# Altium PCB PCB1.PcbDoc (part 2 of 2)
Units mil, origin at the board's own origin, x right, y up, seen from the top; angles counter-clockwise.
Board outline 2600 x 1200 mil, 4 copper layers (Top Layer, GND, POW, Bottom Layer), stack 23.756 mil thick; 103 components, 102 nets, 427 pads, 309 vias.
Unrouted connection lines stored in the file: 7.
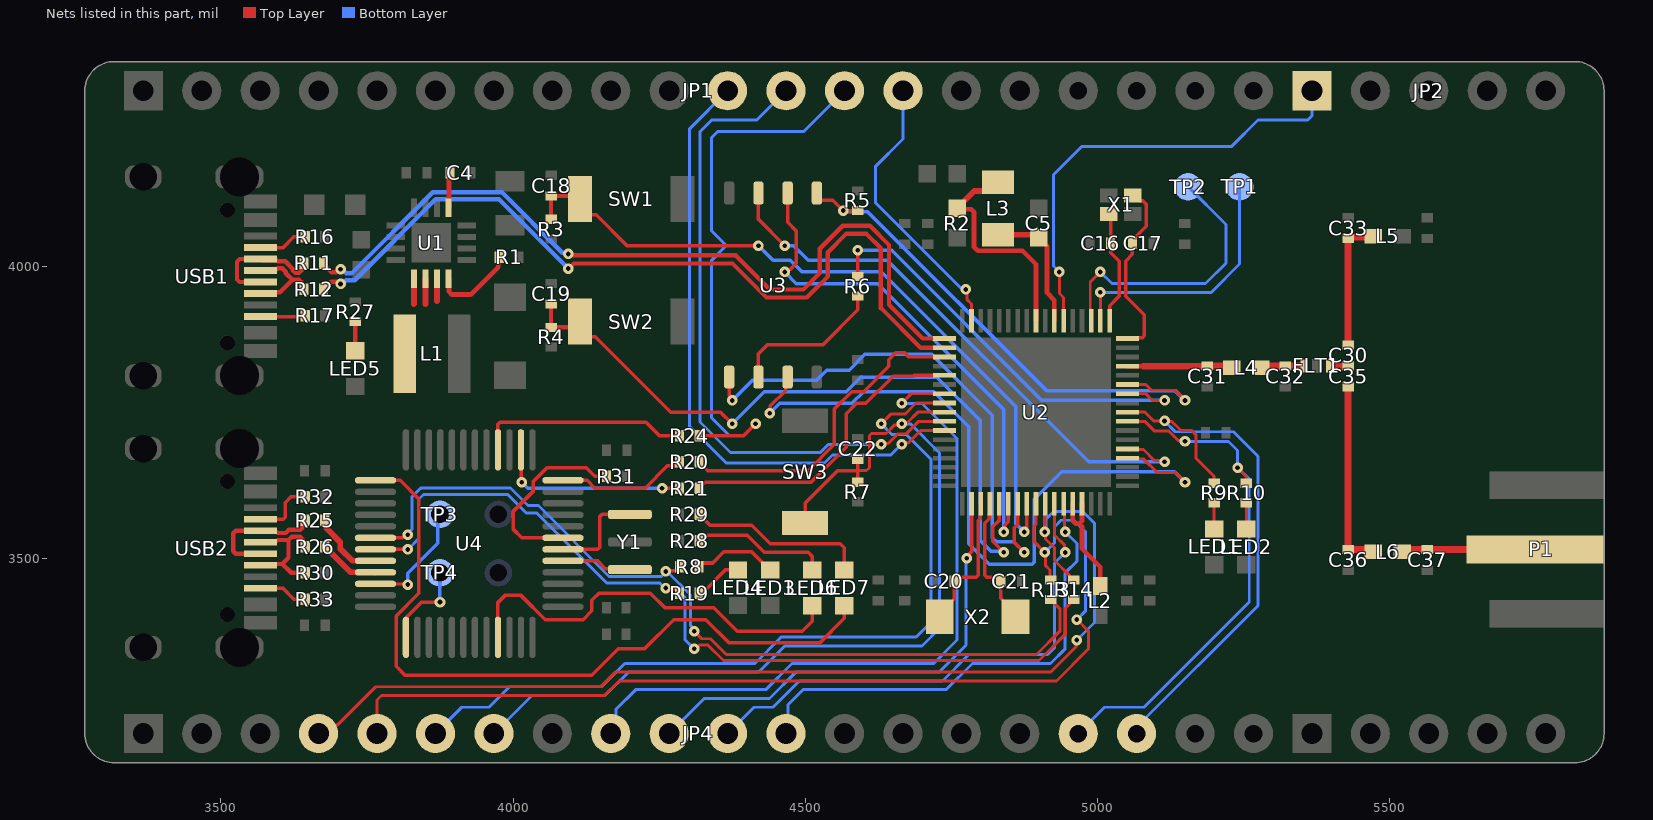
[diagram p4: the nets of this part, all layers, seen from the top]

## Via types
v1: diameter 18, hole 8, Top Layer to Bottom Layer, tented both sides, 309 vias

## Nets (pads, with @x,y where several pads share a name; then routed paths per layer and width w, separated by ;. In a path a pad name is that pad's centre, name@x,y a point inside that pad or via, vN(x,y) a via of type N, cw(c..) or ccw(c..) an arc to the next point about the centre after c; other vN are vias at no path point) (continued)
GPIO_PC0: JP4.5 R13.2 U2.9 | length 1786.5
  Top Layer w5: JP4.5@3767.24,3200 3767.24,3257.24 3775,3265 4156.21,3265 4181.21,3290 4930,3290 4985,3345 4985,3375 v1(4965,3395) ; U2.9@4895,3593.5 4895,3557.79 4891.84,3554.63 4891.84,3528.16 v1(4910.02,3509.98) 4910.96,3509.04 4910.96,3487.97 4919.13,3479.79 4919.13,3463.58 R13.2@4920,3462.71
  Bottom Layer w5: v1(4910.02,3509.98) 4926.5,3526.45 4926.5,3553.5 4937.99,3565 4960,3565 4980,3545 4980,3410 v1(4965,3395)
GPIO_PC1: JP4.4 R14.2 U2.10 | length 1854.8
  Top Layer w5: JP4.4@3667.24,3200 3684,3200 3699.09,3215.09 3700.09,3215.09 3765,3280 4150,3280 4175,3305 4920,3305 4963.36,3348.36 4963.36,3358.35 v1(4965.03,3360.02) ; v1(4910,3544.96) 4911.45,3543.55 4911.45,3533.08 4926.52,3518.01 4926.52,3496.19 4952.66,3470.06 4952.66,3468.09 4958.03,3462.71 R14.2@4960,3462.71
  Top Layer w6: v1(4910,3544.96) 4910.37,3545.33 4910.37,3593.12 U2.10@4910.75,3593.5
  Bottom Layer w5: v1(4910,3544.96) 4912.48,3547.44 4912.48,3567.48 4925,3580 4975,3580 4995,3560 4995,3390 v1(4965.03,3360.02)
GPIO_PC2: JP4.11 U2.11 | length 882.3
  Top Layer w5: U2.11@4926.5,3593.5 4926.5,3539.92 4944.08,3522.33 4944.08,3510.92 v1(4945.04,3509.96)
  Bottom Layer w5: JP4.11@4367.24,3200 4412.24,3245 4445,3245 4490,3290 4735,3290 4780,3335 4915,3335 4926.81,3346.81 4926.81,3491.73 v1(4945.04,3509.96)
GPIO_PC3: JP4.12 U2.12 | length 831
  Top Layer w5: U2.12@4942.24,3593.5 4943.65,3592.09 4943.65,3546.35 v1(4945.06,3544.94)
  Bottom Layer w5: JP4.12@4467.24,3200 4470.61,3203.36 4470.61,3249.39 4496.21,3275 4741.21,3275 4786.21,3320 4920,3320 4945,3345 4945,3475 4965,3495 4965,3525 v1(4945.06,3544.94)
GPIO_PC4: JP4.17 R10.1 U2.25 | length 895.5
  Top Layer w5: U2.25@5051.5,3734.25 5081.12,3734.25 5097.38,3718 5121.99,3718 5138.33,3701.66 5148.34,3701.66 v1(5150,3700) ; v1(5240,3655) 5255,3640 R10.1@5255,3628.46
  Bottom Layer w5: JP4.17@4967.24,3200 5012.24,3245 5080,3245 5260,3425 5260,3635 v1(5240,3655) 5240,3684.42 5224.42,3700 v1(5150,3700)
GPIO_PC5: JP4.18 R9.1 U2.26 | length 974.6
  Top Layer w5: U2.26@5051.5,3750 5081.48,3750 5096.48,3735 v1(5115,3735) 5115.95,3734.05 5127.39,3734.05 5142.94,3718.5 5161.5,3718.5 5168.5,3711.5 5168.5,3671.5 5200,3640 R9.1@5200,3628.46
  Bottom Layer w5: JP4.18@5067.24,3200 5067.24,3211.03 5275,3418.79 5275,3674.42 5232.92,3716.5 5133.5,3716.5 v1(5115,3735)
GPIO_PC6: JP1.14 U2.50 | length 485
  Top Layer w5: v1(4775,3960) 4776.66,3958.34 4776.66,3943.34 4784.76,3935.24 U2.50@4784.76,3906.5
  Bottom Layer w5: JP1.14@4667.24,4300 4667.24,4217.24 4620,4170 4620,4108.68 4766.19,3962.49 4772.51,3962.49 v1(4775,3960)
GPIO_PC10: JP4.9 U2.58 | length 1223.1
  Top Layer w5: v1(4665,3765) 4681.5,3781.5 U2.58@4738.5,3781.5
  Bottom Layer w5: JP4.9@4167.24,3200 4175.96,3208.72 4175.96,3240.96 4210,3275 4432.57,3275 4477.57,3320 4720,3320 4760,3360 4760,3705 4700,3765 v1(4665,3765)
GPIO_PC11: JP4.6 U2.59 | length 1439.6
  Top Layer w5: v1(4630,3730) 4646.5,3746.5 4670.59,3746.5 4689.84,3765.75 U2.59@4738.5,3765.75
  Bottom Layer w5: JP4.6@3867.24,3200 3912.24,3245 3958.79,3245 3993.79,3280 4151.36,3280 4191.36,3320 4413.93,3320 4458.93,3365 4690,3365 4715,3390 4715,3670 4673.5,3711.5 4648.5,3711.5 v1(4630,3730)
GPIO_PC12: C22.1 JP4.7 R7.1 SW3.1 U2.60 | length 1632.2
  Top Layer w5: 4590,3649.79 4590.21,3650 4605,3650 4610,3655 4610,3710 4613.5,3713.5 4638.46,3713.5 4653.31,3728.35 4663.35,3728.35 4667.49,3732.49 4674.99,3732.49 4692.5,3750 U2.60@4738.5,3750
  Top Layer w6: SW3.1@4500,3560 4500,3594.44 4555.34,3649.79 4590,3649.79 ; R7.1@4590,3630 4590,3649.79 ; C22.1@4590,3669.57 4590,3649.79
  Bottom Layer w5: JP4.7@3967.24,3200 4032.24,3265 4157.57,3265 4197.57,3305 4420.15,3305 4465.15,3350 4700,3350 4730,3380 4730,3680 4680,3730 v1(4665,3730)
GPIO_PC13: JP4.10 U2.2 | length 816.7
  Top Layer w6: v1(4776.5,3500) 4776.5,3503.25 4784.76,3511.51 U2.2@4784.76,3593.5
  Bottom Layer w5: JP4.10@4267.24,3200 4327.24,3260 4438.79,3260 4483.79,3305 4728.79,3305 4775,3351.21 4775,3498.5 v1(4776.5,3500)
GPIO_PD0: JP1.12 U2.61 | length 1135.6
  Top Layer w5: v1(4630,3695) 4631.25,3696.25 4642.08,3696.25 4658.83,3713 4673,3713 4694.25,3734.25 U2.61@4738.5,3734.25
  Bottom Layer w5: JP1.12@4467.24,4300 4417.24,4250 4340,4250 4320,4230 4320,3732.91 4372.2,3680.71 4525.71,3680.71 4540,3695 v1(4630,3695)
GPIO_PD1: JP1.11 U2.62 | length 1086.4
  Top Layer w5: v1(4665,3695) 4667.04,3697.04 4676.29,3697.04 4697.75,3718.5 U2.62@4738.5,3718.5
  Bottom Layer w5: JP1.11@4367.24,4300 4302.32,4235.08 4302.32,3725.58 4364.87,3663.03 4533.03,3663.03 4546.5,3676.5 4646.5,3676.5 v1(4665,3695)
GPIO_PE0: JP2.1 U2.40 | length 783.7
  Top Layer w5: v1(4935,3990) 4935,3953.3 4942.24,3946.06 U2.40@4942.24,3906.5
  Bottom Layer w5: v1(4935,3990) 4925,4000 4925,4156.21 4973.79,4205 5230,4205 5275,4250 5360,4250 5367.24,4257.24 JP2.1@5367.24,4300
JTCK: R21.2 U2.56 | length 534.6
  Top Layer w6: R21.2@4318.46,3620 4318.46,3621.97 4323.34,3626.84 4325.31,3626.84 4328.47,3630 4510,3630 4570,3690 4570,3747.1 4587.9,3765 4603.95,3765 4650.55,3811.6 4685.33,3811.6 4686.72,3812.99 U2.56@4738.5,3812.99
JTMS: R20.2 U2.54 | length 555.8
  Top Layer w6: R20.2@4318.46,3665 4318.46,3663.03 4323.34,3658.16 4325.31,3658.16 4333.46,3650 4505,3650 4550,3695 4550,3755.31 4579.69,3785 4599.9,3785 4643.19,3828.29 4643.19,3839.93 4654.63,3851.37 4670.33,3851.37 4677.21,3844.49 U2.54@4738.5,3844.49
LED1: LED7.1 U4.25 | length 1258
  Top Layer w6: U4.25@3764.55,3633.27 3806.73,3633.27 3838.68,3601.32 3838.68,3439.78 3800,3401.09 3800,3315 3815,3300 4135,3300 4180,3345 4225,3345 4275,3395 4330,3395 4370,3355 4525,3355 4567,3397 LED7.1@4567,3418.76
LED2: LED6.1 U4.45 | length 709.5
  Top Layer w6: U4.45@3974.21,3364.55 3974.21,3424.32 3986.19,3436.3 4013.7,3436.3 4055,3395 4120,3395 4135,3410 4135,3427.95 4147.05,3440 4235,3440 4260,3415 4343.75,3415 4383.75,3375 4495,3375 4512,3392 LED6.1@4512,3418.76
MCU-BOOT0: C19.1 R4.1 SW2.1 U2.5 | length 1269.8
  Top Layer w6: SW2.1@4114.8,3905 4114.8,3896.51 4132.47,3878.85 4140.96,3878.85 4269.8,3750 4355,3750 v1(4375,3730) ; U2.5@4832.01,3593.5 4832.01,3564.5 4821.25,3553.74 4821.25,3528.75 v1(4840,3510)
  Top Layer w7.5: C19.1@4065,3935 R4.1@4065,3895 4104.8,3895 SW2.1@4114.8,3905
  Bottom Layer w6: v1(4375,3730) 4430,3785 4570,3785 4595,3810 4725,3810 4800,3735 4800,3530 4817.7,3512.3 4837.7,3512.3 v1(4840,3510)
MCU-NRST: C18.1 JP1.13 R3.1 R24.2 SW1.1 U2.8 | length 2278.4
  Top Layer w6: SW1.1@4131.72,4087.67 4142.33,4087.67 4195,4035 v1(4420,4035) ; R24.2@4318.46,3710 4395,3710 v1(4415,3730) ; v1(4875.02,3544.98) 4875.02,3548.23 4879.25,3552.46 U2.8@4879.25,3593.5
  Top Layer w7.5: R3.1@4065,4080 C18.1@4065,4120 4109.8,4120 SW1.1@4114.8,4115 4114.8,4104.59 SW1.1@4131.72,4087.67
  Bottom Layer w5: v1(4415,3730) 4395,3710 4370,3710 4340,3740 4340,4010 4365,4035 ; v1(4420,4035) 4365,4035 ; JP1.13@4567.24,4300 4497.24,4230 4350,4230 4340,4220 4340,4060 4365,4035
  Bottom Layer w6: v1(4420,4035) 4445,4010 4474.44,4010 4494.44,3990 4630,3990 4860,3760 4860,3560 v1(4875.02,3544.98)
MCU_USB_IN_N: R11.2 USB1.A7 USB1.B7 | length 211.6
  Top Layer w7.5: USB1.A7@3567.83,3972.66 3532.05,3972.66 3527.66,3977.05 3527.66,4007.63 3532.05,4012.03 USB1.B7@3567.83,4012.03 3569.99,4009.87 3595.33,4009.87 3597.02,4008.19 3610.1,4008.19 3623.16,3995.12 3623.16,3992.9 3627.56,3988.5 3633.77,3988.5 3638.16,3992.9 3638.16,4000.88 R11.2@3642.29,4005
MCU_USB_IN_P: R12.2 USB1.A6 USB1.B6 | length 161.5
  Top Layer w7.5: USB1.B6@3567.83,3952.97 3569.99,3955.13 3601.21,3955.13 3622.59,3976.5 ; USB1.A6@3567.83,3992.34 3569.99,3994.5 3595.33,3994.5 3597.02,3996.19 3605.13,3996.19 3611.16,3990.15 3611.16,3987.93 3622.59,3976.5 ; R12.2@3642.29,3960 3638.16,3964.13 3638.16,3972.11 3633.77,3976.5 3622.59,3976.5
NetC4_2: C4.2 U1.9 | length 61.1
  Top Layer w8: U1.9@3889.53,4100.01 3890.45,4100.93 3890.45,4158.17 C4.2@3892.29,4160
NetC5_2: C5.2 L3.1 U2.41 | length 224.8
  Top Layer w8: C5.2@4900,4048.13 4913.95,4034.18 4913.95,3954.1 4926.5,3941.56 U2.41@4926.5,3906.5
  Top Layer w10: L3.1@4830,4053.54 4894.59,4053.54 C5.2@4900,4048.13
NetC30_1: C30.1 C35.1 FLT1.3 | length 32
  Top Layer w11.55: FLT1.3@5397.05,3829 C35.1@5429,3829
NetC30_2: C30.2 C33.1 L5.1 | length 226.8
  Top Layer w11.55: C30.2@5429,3865 C33.1@5429,4047.28 5430.86,4049.14 5470.14,4049.14 L5.1@5472,4051
NetC32_1: C32.1 FLT1.1 L4.2 | length 74.2
  Top Layer w11.55: L4.2@5280,3826 5283,3829 C32.1@5322,3829 FLT1.1@5352.95,3829
NetC35_2: C35.2 C36.1 L6.1 | length 323.2
  Top Layer w11.55: C35.2@5429,3793.57 C36.1@5429.01,3515 5468,3515 L6.1@5472,3511
NetC37_1: C37.1 L6.2 P1.1 | length 229.7
  Top Layer w11.55: L6.2@5522,3511 5526,3515 C37.1@5565.01,3515 P1.1@5750,3515
NetL1_1: L1.1 U1.1 U1.2 U1.3 | length 124.3
  Top Layer w10: 3830,3935 3830.47,3935.47 U1.1@3830.47,3977.99 ; 3850,3935 3850.16,3935.16 U1.2@3850.16,3977.99 ; U1.3@3869.84,3977.99 3869.84,3940.16 3870,3940
NetL3_2: L3.2 R2.2 U2.43 | length 394.8
  Top Layer w8: R2.2@4760.01,4099.31 4762.32,4097 4784,4097 4789,4092 4789,4032.11 4795.11,4026 4871.95,4026 4895,4002.95 U2.43@4895,3906.5
  Top Layer w10: R2.2@4760.01,4099.31 4789.23,4128.54 4815,4128.54 L3.2@4830,4143.54
NetLED1_2: LED1.2 R9.2 | length 45
  Top Layer w5: LED1.2@5200,3550 R9.2@5200,3595
NetLED2_2: LED2.2 R10.2 | length 45
  Top Layer w5: LED2.2@5255,3550 R10.2@5255,3595
NetLED3_2: LED3.2 R8.2 | length 146.2
  Top Layer w6: R8.2@4318.46,3485 4318.46,3486.97 4323.34,3491.84 4341.84,3491.84 4360.82,3510.82 4408.19,3510.82 4439.02,3480 LED3.2@4440,3480
NetLED4_2: LED4.2 R19.2 | length 84.3
  Top Layer w6: R19.2@4318.46,3440 4318.46,3441.97 4323.34,3446.84 4330.45,3446.84 4363.61,3480 LED4.2@4385,3480
NetLED5_2: LED5.2 R27.2 | length 50
  Top Layer w8: LED5.2@3730,3855 R27.2@3730,3905
NetLED6_2: LED6.2 R28.2 | length 236.9
  Top Layer w6: R28.2@4318.46,3530 4318.46,3531.97 4323.34,3536.84 4325.31,3536.84 4327.95,3539.48 4400.52,3539.48 4430,3510 4505,3510 4512,3503 LED6.2@4512,3479.79
NetLED7_2: LED7.2 R29.2 | length 310.4
  Top Layer w6: R29.2@4318.46,3575 4337.09,3556.37 4408.63,3556.37 4440,3525 4560,3525 4567,3518 LED7.2@4567,3479.79
NetR1_1: R1.1 U1.4 | length 145.4
  Top Layer w8: U1.4@3889.53,3977.99 3890.45,3977.07 3890.45,3955.99 3895.14,3951.3 3927.48,3951.3 3974.51,3998.34 3974.51,4012.98 R1.1@3976.54,4015
NetR6_2: R6.2 U3.6 | length 273
  Top Layer w6: U3.6@4424.98,3815.02 U3.6@4420,3810.04 4420,3850 4435,3865 4530,3865 4590,3925 R6.2@4590,3948.8 R6.2@4590.77,3948.03
NetR16_1: R16.1 USB1.A5 | length 84
  Top Layer w6: USB1.A5@3567.83,4031.71 3606.71,4031.71 3625,4050 R16.1@3644.25,4050
NetR17_1: R17.1 USB1.B5 | length 77
  Top Layer w6: USB1.B5@3567.83,3913.6 3642.85,3913.6 R17.1@3644.25,3915
NetR20_1: R20.1 U4.12 | length 224.8
  Top Layer w6: U4.12@4085.45,3633.27 4126.73,3633.27 4140,3620 4226.01,3620 4264.17,3658.16 4280.13,3658.16 4285,3663.03 R20.1@4285,3665
NetR21_1: R21.1 U4.14 | length 330.2
  Top Layer w6: U4.14@4013.58,3685.45 4014.29,3684.74 4014.29,3630.71 v1(4015,3630) ; v1(4255,3620) R21.1@4285,3620
  Bottom Layer w6: v1(4015,3630) 4025,3620 v1(4255,3620)
NetR24_1: R24.1 U4.16 | length 365.1
  Top Layer w6: U4.16@3974.21,3685.45 3974.21,3728.98 3977.73,3732.5 4227.5,3732.5 4250,3710 R24.1@4285,3710
NetR25_1: R25.1 U4.32 | length 128.5
  Top Layer w10: R25.1@3677.71,3565 3680.59,3562.13 3680.59,3551.25 3704.39,3527.44 3704.39,3516.35 3725.08,3495.66 3764.36,3495.66 U4.32@3764.55,3495.47
NetR26_1: R26.1 U4.33 | length 106.3
  Top Layer w10: R26.1@3677.71,3520 3677.71,3518.03 3680.59,3515.16 3682.56,3515.16 3721.73,3475.98 3764.36,3475.98 U4.33@3764.55,3475.79
NetR31_2: R31.2 U4.7 | length 328.7
  Top Layer w6: U4.7@4085.45,3534.84 4015.16,3534.84 4000,3550 4000,3580 4035,3615 4035,3631.84 4058.16,3655 4125,3655 4140,3640 R31.2@4159.81,3640
NetR32_2: R32.2 USB2.A5 | length 106.8
  Top Layer w6: USB2.A5@3567.83,3566.71 3606.49,3566.71 3610,3570.23 3610,3595 3620,3605 R32.2@3644.25,3605
NetR33_2: R33.2 USB2.B5 | length 84.1
  Top Layer w6: USB2.B5@3567.83,3448.6 3606.4,3448.6 3625,3430 R33.2@3644.25,3430
NetTP1_1: TP1.1 U2.36 | length 439.3
  Top Layer w5: v1(5005,3955) 5005.12,3954.88 5005.12,3906.62 U2.36@5005.24,3906.5
  Bottom Layer w5: v1(5005,3955) 5195,3955 5243.43,4003.43 TP1.1@5243.43,4135.64
NetTP2_1: TP2.1 U2.37 | length 486.4
  Top Layer w5: U2.37@4989.49,3906.5 4987.99,3908 4987.99,3926.85 4987.91,3926.93 4987.91,3972.91 v1(5005,3990)
  Bottom Layer w5: v1(5005,3990) 5025,3970 5185,3970 5220,4005 5220,4071.07 TP2.1@5155.43,4135.64
NetU4_5: U4.5 Y1.3 | length 115.7
  Top Layer w6: U4.5@4085.45,3495.47 4144.86,3495.47 4158.06,3482.27 4193.24,3482.27 Y1.3@4195,3480.51
NetU4_6: U4.6 Y1.1 | length 165.3
  Top Layer w6: U4.6@4085.45,3515.16 4145.24,3515.16 4148.75,3518.67 4148.75,3571.49 4152.27,3575 Y1.1@4195,3575
OSC32_IN: C20.2 U2.3 X2.2 | length 242
  Top Layer w6: X2.2@4730,3400 4730,3405.91 4755,3430.91 4755,3462.71 4759.71,3467.43 4792.62,3467.43 4796.14,3470.94 4796.14,3564.32 4799.51,3567.7 4799.51,3592.5 U2.3@4800.51,3593.5
OSC32_OUT: C21.2 U2.4 X2.1 | length 230.3
  Top Layer w6: U2.4@4816.26,3593.5 4816.26,3577.5 4815.26,3576.5 4815.26,3567.89 4807.14,3559.76 4807.14,3471.1 4810.65,3467.59 4829.7,3467.59 4834.57,3462.71 4834.57,3431.26 4859.92,3405.91 X2.1@4859.92,3400
OSC_IN: C16.2 U2.35 X1.1 | length 197
  Top Layer w6: X1.1@5019.33,4089.25 5022.71,4085.87 C16.2@5022.71,4039.26 5022.71,4022.66 5037.36,4008.02 5037.36,3948.72 5020.98,3932.35 U2.35@5020.98,3906.5
OSC_OUT: C17.2 U2.34 X1.3 | length 299.5
  Top Layer w6: U2.34@5051.5,3875.98 5052.5,3876.98 5076.49,3876.98 5080,3880.5 5080,3916.67 5048.36,3948.32 5048.36,4008.36 5060,4020 5060,4041.22 5064.87,4046.1 5064.87,4049.35 5083.43,4067.91 5083.43,4106.09 5077.58,4111.94 5072.43,4111.94 X1.3@5070.67,4113.7
QSPI_CLK: R6.1 U2.28 | length 745.9
  Top Layer w5: U2.28@5051.5,3781.5 5082.95,3781.5 5094.44,3770 v1(5115,3770)
  Top Layer w6: R6.1@4590,3982.27 v1(4590,4027) ; U2.28@5051.5,3781.5 U2.28@5052.5,3780.5
  Bottom Layer w6: v1(4590,4027) 4648,4027 4905,3770 v1(5115,3770)
QSPI_CS: R5.2 U2.29 U3.1 | length 915.6
  Top Layer w5: U2.29@5051.5,3797.24 5082.76,3797.24 5092.56,3787.44 5132.56,3787.44 v1(5150,3770)
  Top Layer w6: U3.1@4520,4125 4520,4118.49 4525.75,4112.74 4547.26,4112.74 v1(4565,4095) R5.2@4590,4095
  Bottom Layer w6: v1(4565,4095) 4566.73,4093.27 4606.73,4093.27 4913,3787 5133,3787 v1(5150,3770)
QSPI_IO0: U2.7 U3.5 | length 930.6
  Top Layer w6: U3.5@4370,3810.04 4370,3778.25 4375,3773.25 v1(4375,3770) ; U2.7@4863.5,3593.5 4863.5,3557.5 4858,3552 4858,3527 v1(4875,3510)
  Bottom Layer w6: v1(4375,3770) 4410,3805 4520,3805 4536.77,3821.77 4575.14,3821.77 4602.2,3848.83 4716.17,3848.83 4820.28,3744.72 4820.28,3535.28 4827.56,3528 4857,3528 v1(4875,3510)
QSPI_IO1: U2.6 U3.2 | length 886.2
  Top Layer w6: v1(4465,3990) 4468.25,3990 4472.48,3994.23 4474.23,3994.23 4485,4005 4485,4060 4470,4075 U3.2@4470,4125 ; v1(4840,3545) 4841.82,3546.82 4841.82,3556.64 4847.76,3562.57 U2.6@4847.76,3593.5
  Bottom Layer w6: v1(4465,3990) 4485,3970 4624.44,3970 4840,3754.44 v1(4840,3545)
QSPI_IO2: U2.22 U3.3 | length 984.5
  Top Layer w5: U2.22@5052.5,3686.01 5078.74,3686.01 5097.46,3667.3 v1@5112.7,3667.3
  Top Layer w6: U3.3@4420,4125 4420,4080 v1(4465,4035) ; U2.22@5051.5,3687.01 U2.22@5052.5,3686.01 ; v1@5112.7,3667.3 v1(5115,3665)
  Bottom Layer w6: v1(4465,4035) 4480,4035 4505,4010 4640,4010 4985,3665 v1(5115,3665)
QSPI_IO3: U2.21 U3.7 | length 1291.1
  Top Layer w5: U2.21@5052.5,3670.26 5078.62,3670.26 5101.88,3647 5133,3647 v1(5150,3630)
  Top Layer w6: v1(4439.45,3748.29) 4440.46,3749.29 4440.46,3760.74 4466.54,3786.82 4466.54,3806.58 U3.7@4470,3810.04 ; U2.21@5051.5,3671.26 U2.21@5052.5,3670.26
  Bottom Layer w6: v1(4439.45,3748.29) 4456.16,3765 4580,3765 4600,3785 4720,3785 4780,3725 4780,3525 4815,3490 4888.59,3490 4892.11,3493.51 4892.11,3601.24 4938.87,3648 5132,3648 v1(5150,3630)
RF1: C31.1 L4.1 U2.31 | length 179.9
  Top Layer w8: U2.31@5051.5,3828.74 5078.74,3828.74
  Top Layer w11.55: 5078.74,3828.74 5187.73,3828.74 C31.1@5188,3829 5227,3829 L4.1@5230,3826
ST_RX: R14.1 R19.1 U4.31 | length 1540.4
  Top Layer w5: v1(4261.49,3448.94) 4263.09,3447.34 4279.63,3447.34 4285,3441.97 R19.1@4285,3440 ; v1@4306.67,3345 v1(4310,3345) 4312.8,3345 4319.43,3351.63 4333.37,3351.63 4360,3325 4900,3325 4945.8,3370.8 4945.8,3415.05 R14.1@4960,3429.25
  Top Layer w6: U4.31@3764.55,3515.16 3764.63,3515.08 3819.92,3515.08 v1(3820,3515)
  Bottom Layer w5: v1(3820,3515) 3838.32,3533.32 3838.32,3600.67 3846.64,3609 3991,3609 4022.78,3577.22 4040.56,3577.22 4159.88,3457.91 4250.47,3457.91 v1@4259.44,3448.94 ; v1(4261.49,3448.94) 4278.63,3448.94 4294.46,3433.11 4294.46,3360.54 v1(4310,3345)
  Bottom Layer w6: v1@4259.44,3448.94 v1(4261.49,3448.94)
ST_SWCLK: pad.3@3875,3475 TP4.1 U4.37 | length 153
  Top Layer w6: U4.37@3816.73,3364.55 3817.69,3365.51 3817.69,3399.19 3843.5,3425 v1(3875,3425)
  Bottom Layer w6: v1(3875,3425) pad.3@3875,3475
ST_SWDIO: pad.3@3875,3575 TP3.1 U4.34 | length 198.7
  Top Layer w5: U4.34@3764.55,3456.1 3765.1,3455.55 3819.45,3455.55 v1(3820,3455)
  Bottom Layer w6: v1(3820,3455) 3820,3474.5 3870.89,3525.4 3870.89,3570.89 pad.3@3875,3575
ST_TX: R8.1 R13.1 U4.30 | length 1504.7
  Top Layer w5: v1@4306.67,3375 v1(4310,3375) 4322.85,3362.15 4337.85,3362.15 4365,3335 4895.86,3335 4935.76,3374.9 4935.76,3413.49 R13.1@4920,3429.25
  Top Layer w6: U4.30@3764.55,3534.84 3811.6,3534.84 3816.75,3540 v1(3820,3540) ; v1@4263.64,3477.38 4264.42,3478.16 4280.13,3478.16 4285,3483.03 R8.1@4285,3485
  Bottom Layer w5: v1@3820,3542.2 3827.32,3549.51 3827.32,3605.23 3842.09,3620 3995.56,3620 4025.56,3590 4043.34,3590 4164.43,3468.91 4254.13,3468.91 v1@4262.6,3477.38 ; v1@4263.64,3477.38 4304,3437.02 4304,3384.43 4310,3378.43 v1(4310,3375)
  Bottom Layer w6: v1(3820,3540) v1@3820,3542.2 ; v1@4262.6,3477.38 v1@4263.64,3477.38
  other v1: 4261.49,3477.38
STM32_USB_N: R11.1 U2.52 | length 1400.5
  Top Layer w7.5: R11.1@3675.75,4005 3675.75,4003.03 3689.32,3989.46 3696.96,3989.46 ; v1(4094.54,4020.79) 4096.55,4018.78 4103.66,4018.78 4104.18,4018.25 4381.29,4018.25 4439.54,3960 4497,3960 4525,3988 4525,4029.54 4564.28,4068.82 4610.72,4068.82 4643.42,4036.12 4643.42,3933.86 4701.3,3875.98 U2.52@4738.5,3875.98
  Bottom Layer w7.5: v1(3704.78,3994.45) 3707.62,3994.45 3714.12,3987.95 3724.21,3987.95 3862.48,4126.22 3980.98,4126.22 4084.4,4022.8 4092.53,4022.8 v1(4094.54,4020.79)
STM32_USB_P: R12.1 U2.53 | length 1409.7
  Top Layer w7.5: R12.1@3675.75,3960 3675.75,3961.97 3679.88,3966.1 3681.84,3966.1 3688.92,3973.17 v1@3698.21,3973.17 ; v1(4094.49,3995.74) 4095.44,3995.74 4104.13,4004.43 4375.57,4004.43 4433.82,3946.18 4502.73,3946.18 4538.82,3982.27 4538.82,4023.82 4570,4055 4605,4055 4629.6,4030.4 4629.6,3928.14 4697.74,3860 4738.26,3860 U2.53@4738.5,3860.24
  Bottom Layer w7.5: v1(3704.78,3969.45) 3707.62,3969.45 3714.12,3975.95 3729.18,3975.95 3867.45,4114.22 3976.01,4114.22 v1(4094.49,3995.74)
USB_N: R25.2 USB2.A7 USB2.B7 | length 219.4
  Top Layer w7.5: USB2.A7@3567.83,3507.66 3525.5,3507.66 3521.11,3512.05 3521.11,3542.63 3525.5,3547.03 USB2.B7@3567.83,3547.03 3569.99,3544.87 3595.33,3544.87 3597.02,3543.19 3610.82,3543.19 3616.13,3548.5 3635.73,3548.5 3640.12,3552.89 3640.12,3560.88 R25.2@3644.25,3565
USB_P: R26.2 R30.1 USB2.A6 USB2.B6 | length 220.8
  Top Layer w7.5: USB2.B6@3567.83,3487.97 3569.99,3490.13 3605.13,3490.13 ; USB2.A6@3567.83,3527.34 3569.99,3529.5 3595.33,3529.5 3597.02,3531.19 3615.79,3531.19 ; R30.1@3644.25,3475 3620.26,3475 3605.13,3490.13 ; R26.2@3644.25,3520 3640.12,3524.12 3640.12,3532.11 3635.73,3536.5 3621.1,3536.5 3615.79,3531.19 ; 3605.13,3490.13 3615.79,3500.79 3615.79,3531.19
VDDA: L2.2 U2.13 U2.14 | length 200.5
  Top Layer w8: U2.13@4957.99,3593.5 4957.99,3564.01 4963,3559 4969.05,3559 ; U2.14@4973.74,3593.5 4973.74,3563.69 4969.05,3559 ; L2.2@5005,3452.46 5005,3485 4973.74,3516.26 4973.74,3554.31 4969.05,3559
pads on no net: U4.2 U4.3 U4.4 U4.10 U4.11 U4.13 U4.15 U4.17 U4.18 U4.19 U4.20 U4.21 U4.22 U4.26 U4.27 U4.28 U4.29 U4.38 U4.39 U4.40 U4.41 U4.42 U4.43 U4.46 USB1.0 USB1.A8 USB1.B8 USB2.0 USB2.A8 USB2.B8

## Polygon pours and split planes (outlines as drawn)
GND on Top Layer "NONET_L-01_P-001" (solid, remove dead copper, pour order 9): 3240,4415 3240,3145 3290,3095 5860,3095 5910,3145 5910,4385 5865,4430 3255,4430
GND on Top Layer "NONET_L-01_P-001" (solid, pour order 8): 3970,3740 4020,3740 4020,3832.87 3970,3832.87
GND on Top Layer "NONET_L-01_P-001" (solid, pour order 7): 4020,4195 3970,4195 3970,4125 4020,4125
3V3 on Top Layer "NONET_L-01_P-001" (solid, pour order 6): 3885,3780 3885,3925 3995,3925 3995,4090 4045,4090 4045,3880 3960,3880 3960,3780
NetL1_1 on Top Layer "NONET_L-01_P-001" (solid, pour order 4): 3875,3950 3795,3950 3795,3780 3835,3780 3835,3810 3875,3850
5V on Top Layer "NONET_L-01_P-001" (solid, pour order 3): 3879.04,4126.66 3879.04,4175 3835,4175 3835,4145 3725,4145 3725,4050 3770,4050 3770,4085 3815,4085 3815,4126.66
ANT on Top Layer "L2-No Net" (solid, pour order 1): 5586.1,4040.17 5650.08,4040.17 5650.08,4137.61 5678.62,4137.61 5678.62,3786.23 5743.58,3786.23 5743.58,4137.61 5772.13,4137.61 5772.13,3785.25 5838.07,3785.25 5838.07,4059.85 5820.36,4059.85 5820.36,3886.62 5820.36,3803.95 5790.83,3803.95 5790.83,4155.32 5788.86,4155.32 5724.88,4155.32 5724.88,4154.34 5724.88,3804.93 5710.12,3804.93 5695.36,3804.93 5695.36,3807.88 5695.36,4155.32 5694.37,4155.32 5630.4,4155.32 5630.4,4154.34 5630.4,4055.91 5585.12,4055.91 5585.12,4040.17
GND on Bottom Layer "NONET_L-01_P-001" (solid, remove dead copper, pour order 10): 3240,4415 3240,3145 3290,3095 5860,3095 5910,3145 5910,4385 5865,4430 3255,4430
3V3 on POW (split plane): 5821.94,4329.62 5826.51,4328.52 5830.86,4326.72 5834.87,4324.26 5838.45,4321.21 5841.51,4317.63 5843.97,4313.62 5845.77,4309.27 5846.87,4304.69 5847.2,4300.5 5847.15,4300 5847.15,3200 5847.2,3199.5 5846.87,3195.31 5845.77,3190.73 5843.97,3186.38 5841.51,3182.37 5838.45,3178.79 5834.87,3175.74 5830.86,3173.28 5826.51,3171.48 5821.94,3170.38 5817.75,3170.05 5817.24,3170.1 3317.24,3170.1 3316.74,3170.05 3312.55,3170.38 3307.98,3171.48 3303.63,3173.28 3299.61,3175.74 3296.04,3178.79 3292.98,3182.37 3290.52,3186.38 3288.72,3190.73 3287.62,3195.31 3287.29,3199.5 3287.34,3200 3287.34,4199.9 3597.89,4199.9 3696.4,4101.4 3698.05,4100.29 3700,4099.9 3785,4099.9 3786.95,4100.29 3788.6,4101.4 3823.6,4136.4 3824.71,4138.05 3825.1,4140 3825.1,4210 3825.1,4329.9 5817.24,4329.9 5817.75,4329.95
5V on POW (split plane): 3317.24,4329.9 3814.9,4329.9 3814.9,4210 3814.9,4142.11 3782.89,4110.1 3702.11,4110.1 3603.6,4208.6 3601.95,4209.71 3600,4210.1 3287.34,4210.1 3287.34,4300 3287.29,4300.5 3287.62,4304.69 3288.72,4309.27 3290.52,4313.62 3292.98,4317.63 3296.04,4321.21 3299.61,4324.26 3303.63,4326.72 3307.98,4328.52 3312.55,4329.62 3316.74,4329.95
GND on GND (split plane): 5821.94,4329.62 5826.51,4328.52 5830.86,4326.72 5834.87,4324.26 5838.45,4321.21 5841.51,4317.63 5843.97,4313.62 5845.77,4309.27 5846.87,4304.69 5847.2,4300.5 5847.15,4300 5847.15,3200 5847.2,3199.5 5846.87,3195.31 5845.77,3190.73 5843.97,3186.38 5841.51,3182.37 5838.45,3178.79 5834.87,3175.74 5830.86,3173.28 5826.51,3171.48 5821.94,3170.38 5817.75,3170.05 5817.24,3170.1 3317.24,3170.1 3316.74,3170.05 3312.55,3170.38 3307.98,3171.48 3303.63,3173.28 3299.61,3175.74 3296.04,3178.79 3292.98,3182.37 3290.52,3186.38 3288.72,3190.73 3287.62,3195.31 3287.29,3199.5 3287.34,3200 3287.34,4300 3287.29,4300.5 3287.62,4304.69 3288.72,4309.27 3290.52,4313.62 3292.98,4317.63 3296.04,4321.21 3299.61,4324.26 3303.63,4326.72 3307.98,4328.52 3312.55,4329.62 3316.74,4329.95 3317.24,4329.9 5817.24,4329.9 5817.75,4329.95

## Keep-outs
Keep-Out Layer:
  the board outline again, w10

## Other copper
Top Layer:
  pour cut-out: 5199.12,3607.87 5206.84,3615.59 5214.84,3615.59
  pour cut-out: 5214.84,3615.59 5214.84,3607.87 5202.13,3607.87 5200,3610
  pour cut-out: 4905.16,3449.84 4917.58,3449.84 4917.58,3449.23 4920.78,3446.03
  pour cut-out: 5022.5,3432.46 5019.96,3435 5005,3435 5005,3430 5010,3425
  pour cut-out: 4905.16,3449.84 4905.16,3442.12 4922.12,3442.12 4925,3445
  pour cut-out: 5022.5,3432.46 5022.5,3422.46 5012.54,3422.46 5010,3425
  pour cut-out: 4587.75,3460.02 4587.75,3438.53 4586.28,3440 4565,3440 4565,3460
  pour cut-out: 4305.59,3560.16 4321.77,3560.16 4329.29,3552.64 4329.29,3549.47 4325.07,3545.25 4322.18,3545.25
  pour cut-out: 4305.59,3515.16 4331.34,3515.16 4331.34,3531.32 4338.46,3524.2 4338.46,3500
  pour cut-out: 4305.59,3515.16 4305.59,3499.84 4338.3,3499.84 4338.46,3500
  pour cut-out: 4305.59,3560.16 4305.59,3544.84 4321.77,3544.84 4322.18,3545.25
  pour cut-out: 4297.87,3499.84 4305.59,3499.84 4305.59,3495.59 4300,3490
  pour cut-out: 4079.85,3957.56 4088.03,3949.37 4081.34,3949.37 4079.84,3947.87
Bottom Layer:
  pour cut-out: 3820,3515 3820,3455 3829.32,3464.32
POW (plane layer: these items are gaps in the copper):
  lines w10: 3260,4205 3600,4205 3700,4105 3785,4105 3820,4140 3820,4210 3820,4355

## Silkscreen, mask and mechanical layers (free items; w line width, h text height)
Top Overlay:
  lines w10: 3300.86,3750.86 3315,3765 ; 3315,3725 3315,3765 ; 3329.14,3750.86 3315,3765 ; 3485.86,3739.14 3500,3725 ; 3500,3765 3500,3725 ; 3514.14,3739.14 3500,3725
  text "B7" at 3899.49,4238 h65 r180
  text "B4" at 4199.49,4238 h65 r180
  text "D1" at 4399.49,4238 h65 r180
  text "R" at 4579.49,4238 h65 r180
  text "B14" at 4899.49,4238 h65 r180
  text "B12" at 5119.49,4238 h65 r180
  text "B1" at 5499.49,4238 h65 r180
  text "5V" at 3399.49,4237.28 h65 r180
  text "5V" at 3499.49,4237.28 h65 r180
  text "5V" at 3599.49,4237.28 h65 r180
  text "G" at 3684.49,4237.28 h65 r180
  text "G" at 3784.49,4237.28 h65 r180
  text "B6" at 3999.49,4237.28 h65 r180
  text "B5" at 4099.49,4237.28 h65 r180
  text "B3" at 4299.49,4237.28 h65 r180
  text "D0" at 4499.49,4237.28 h65 r180
  text "C6" at 4684.49,4237.28 h65 r180
  text "A10" at 4794.49,4237.28 h65 r180
  text "B15" at 5009.49,4237.28 h65 r180
  text "B13" at 5229.49,4237.28 h65 r180
  text "B0" at 5304.49,4237.28 h65 r180
  text "E0" at 5399.49,4237.28 h65 r180
  text "G" at 5584.49,4237.28 h65 r180
  text "G" at 5684.49,4237.28 h65 r180
  text "G" at 5784.49,4237.28 h65 r180
  text "NRST" at 4303.91,4041.47 h80 r180
  text "开发板" at 5489.78,4017.59 h85 r270
  text "STM32WB55" at 5558.53,4017.59 h85 r270
  text "P" at 3690,3845 h65 r180
  text "BOOT" at 4303.91,3831.47 h80 r180
  text "DEBUG    USB" at 3735,3769.28 h65 r180
  text "KEY" at 4363.53,3718.62 h80 r270
  text "G" at 5178.72,3464.7 h65 r270
  text "R" at 5233,3464.7 h65 r270
  text "TX" at 4363,3394.7 h65 r270
  text "RX" at 4418,3394.7 h65 r270
  text "L2" at 4490,3394.49 h65 r270
  text "L1" at 4545,3394.49 h65 r270
  text "A4" at 4599.49,3310 h65 r180
  text "B2" at 5199.49,3310 h65 r180
  text "A1" at 5399.49,3310 h65 r180
  text "A2" at 5499.49,3310 h65 r180
  text "3V3" at 3414.49,3309.28 h65 r180
  text "3V3" at 3519.49,3309.28 h65 r180
  text "3V3" at 3624.49,3309.28 h65 r180
  text "C1" at 3699.49,3309.28 h65 r180
  text "C0" at 3779.49,3309.28 h65 r180
  text "C11" at 3884.49,3309.28 h65 r180
  text "C12" at 3994.49,3309.28 h65 r180
  text "A15" at 4104.49,3309.28 h65 r180
  text "C10" at 4214.49,3309.28 h65 r180
  text "C13" at 4324.49,3309.28 h65 r180
  text "C2" at 4409.49,3309.28 h65 r180
  text "C3" at 4499.49,3309.28 h65 r180
  text "A3" at 4699.49,3309.28 h65 r180
  text "A8" at 4799.49,3309.28 h65 r180
  text "A9" at 4899.49,3309.28 h65 r180
  text "C4" at 4999.49,3309.28 h65 r180
  text "C5" at 5099.49,3309.28 h65 r180
  text "A0" at 5299.49,3309.28 h65 r180
  text "A5" at 5599.49,3309.28 h65 r180
  text "G" at 5684.49,3309.28 h65 r180
  text "G" at 5784.49,3309.28 h65 r180
Bottom Overlay:
  drawing of 3224 lines, arcs and shapes, not listed
  text "Studio" at 5828.67,4135 h120 r90
  text "MR.Z" at 5730,4115 h120 r90
  text "STM32WB55开发板" at 5100,4083.89 h110
  text "Dual antenna selection" at 5045,4030.63 h62
  text "All pins lead out" at 5045,3970 h62
  text "Onboard CMSIS DAP downloader" at 5045,3920.69 h62
  text "Onboard 8M Flash（4-QSPI）" at 5045,3868.1 h62
  text "[ 1.1 ]" at 4790,3577.64 h70
  text "VERsion" at 5066.75,3565.09 h70
  text "The debug serial port  /  has been swapped" at 5016,3441 h62
  text "板载DAP" at 4062.12,3330 h80
Mechanical 1:
  the board outline again, w10